# KiCad board SparkFun_IoT_RedBoard-RP2350_panelized.kicad_pcb (continued)
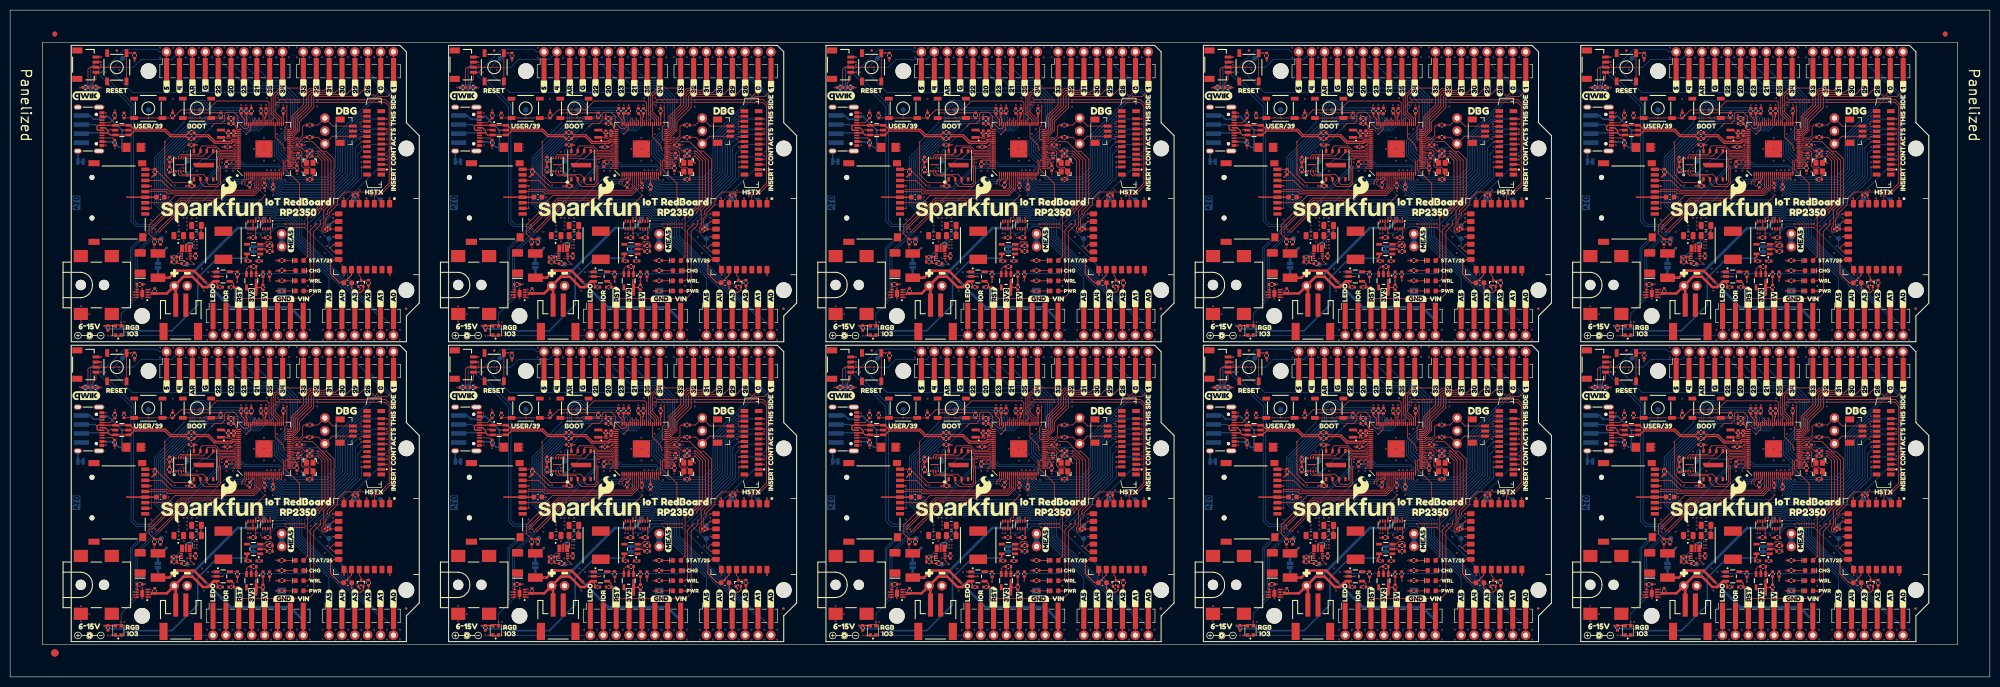
[diagram p0: board, top side]
## Routing (per net, layer and track width the routed paths; a pad name or vN(x,y) marks a point on that pad's centre or on a via; arc(x,y) is an arc through that point) (continued)
/Core/WRL_IO2: length 38.2
  Top w0.15: R15#7.2 217.9,78.19 Q1#2.3 217.84,78.78 217.49,79.13 U2#8.C3 ; U2.C3 68.77,20.01 69.12,19.66 Q1.3 69.18,19.07 R15#10.2 ; U2#6.C3 68.77,79.13 69.12,78.78 Q1#4.3 69.18,78.19 R15#5.2 ; R15#6.2 217.9,19.07 Q1#6.3 217.84,19.66 217.49,20.01 U2#3.C3 ; R15.2 292.26,78.19 Q1#10.3 292.2,78.78 291.85,79.13 U2#4.C3 ; U2#7.C3 143.13,79.13 143.48,78.78 Q1#5.3 143.54,78.19 R15#3.2 ; R15#9.2 366.62,19.07 Q1#8.3 366.56,19.66 366.21,20.01 U2#10.C3 ; R15#2.2 143.54,19.07 Q1#3.3 143.48,19.66 143.13,20.01 U2#2.C3 ; R15#4.2 292.26,19.07 Q1#9.3 292.2,19.66 291.85,20.01 U2#9.C3 ; U2#5.C3 366.21,79.13 366.56,78.78 Q1#7.3 366.62,78.19 R15#8.2
/Core/WRL_ON: length 298.2
  Top w0.15: U1#3.25 203.14,101.88 202.89,101.63 202.89,100.13 205.74,97.28 v1(205.74,92.38) ; U2#4.B6 286.85,83.78 v1(286.1,84.53) 286.85,85.28 U2#4.B5 ; U1#9.25 351.86,101.88 351.61,101.63 351.61,100.13 354.46,97.28 v1(354.46,92.38) ; U2#2.B6 138.13,24.66 v1(137.38,25.41) 138.13,26.16 U2#2.B5 ; U2#5.B5 361.21,85.28 v1(360.46,84.53) 361.21,83.78 U2#5.B6 ; U2#10.B6 361.21,24.66 v1(360.46,25.41) 361.21,26.16 U2#10.B5 ; v1(280.1,92.38) 280.1,97.28 277.25,100.13 277.25,101.63 277.5,101.88 U1#2.25 ; U2#7.B5 138.13,85.28 v1(137.38,84.53) 138.13,83.78 U2#7.B6 ; v1(131.38,92.38) 131.38,97.28 128.53,100.13 128.53,101.63 128.78,101.88 U1#5.25 ; U2#9.B6 286.85,24.66 v1(286.1,25.41) 286.85,26.16 U2#9.B5 ; U1.25 54.42,42.76 54.17,42.51 54.17,41.01 57.02,38.16 v1(57.02,33.26) ; U2#6.B5 63.77,85.28 v1(63.02,84.53) 63.77,83.78 U2#6.B6 ; v1(280.1,33.26) 280.1,38.16 277.25,41.01 277.25,42.51 277.5,42.76 U1#8.25 ; U2#3.B5 212.49,26.16 v1(211.74,25.41) 212.49,24.66 U2#3.B6 ; U1#10.25 351.86,42.76 351.61,42.51 351.61,41.01 354.46,38.16 v1(354.46,33.26) ; v1(205.74,33.26) 205.74,38.16 202.89,41.01 202.89,42.51 203.14,42.76 U1#7.25 ; U2.B5 63.77,26.16 v1(63.02,25.41) 63.77,24.66 U2.B6 ; U2#8.B6 212.49,83.78 v1(211.74,84.53) 212.49,85.28 U2#8.B5 ; U1#4.25 128.78,42.76 128.53,42.51 128.53,41.01 131.38,38.16 v1(131.38,33.26) ; U1#6.25 54.42,101.88 54.17,101.63 54.17,100.13 57.02,97.28 v1(57.02,92.38)
  Bottom w0.15: v1(205.74,33.26) 210.04,33.26 210.44,32.86 210.44,32.16 208.64,30.36 208.64,29.88 211.25,27.28 TP2#3.1 211.54,25.61 v1(211.74,25.41) ; v1(137.38,84.53) 137.18,84.73 TP2#5.1 136.88,86.4 134.28,89 134.28,89.48 136.08,91.28 136.08,91.98 135.68,92.38 v1(131.38,92.38) ; v1(63.02,25.41) 62.82,25.61 TP2.1 62.52,27.28 59.92,29.88 59.92,30.36 61.72,32.16 61.72,32.86 61.32,33.26 v1(57.02,33.26) ; v1(360.46,25.41) 360.26,25.61 TP2#9.1 359.96,27.28 357.36,29.88 357.36,30.36 359.16,32.16 359.16,32.86 358.76,33.26 v1(354.46,33.26) ; v1(63.02,84.53) 62.82,84.73 TP2#2.1 62.52,86.4 59.92,89 59.92,89.48 61.72,91.28 61.72,91.98 61.32,92.38 v1(57.02,92.38) ; v1(205.74,92.38) 210.04,92.38 210.44,91.98 210.44,91.28 208.64,89.48 208.64,89 211.25,86.4 TP2#8.1 211.54,84.73 v1(211.74,84.53) ; v1(286.1,84.53) 285.9,84.73 TP2#10.1 285.6,86.4 283,89 283,89.48 284.8,91.28 284.8,91.98 284.4,92.38 v1(280.1,92.38) ; v1(137.38,25.41) 137.18,25.61 TP2#7.1 136.88,27.28 134.28,29.88 134.28,30.36 136.08,32.16 136.08,32.86 135.68,33.26 v1(131.38,33.26) ; v1(360.46,84.53) 360.26,84.73 TP2#6.1 359.96,86.4 357.36,89 357.36,89.48 359.16,91.28 359.16,91.98 358.76,92.38 v1(354.46,92.38) ; v1(286.1,25.41) 285.9,25.61 TP2#4.1 285.6,27.28 283,29.88 283,30.36 284.8,32.16 284.8,32.86 284.4,33.26 v1(280.1,33.26)
/Core/WRL_~{CS}: length 362.6
  Top w0.15: U2#8.B2 v1(212.34,89.78) 211.22,88.66 211.22,87.94 210.96,87.68 210.39,87.68 210.14,87.93 210.14,88.58 210.54,88.98 210.54,91.93 211.94,93.33 211.94,101.83 v1(210.54,103.23) ; v1(351.31,104.28) 351.31,104.73 349.66,106.38 U1#9.45 ; v1(128.23,45.16) 128.23,45.61 126.58,47.26 U1#4.45 ; v1(128.23,104.28) 128.23,104.73 126.58,106.38 U1#5.45 ; U2#6.B2 v1(63.62,89.78) 62.51,88.66 62.51,87.94 62.24,87.68 61.67,87.68 61.42,87.93 61.42,88.58 61.82,88.98 61.82,91.93 63.22,93.33 63.22,101.83 v1(61.82,103.23) ; v1(351.31,45.16) 351.31,45.61 349.66,47.26 U1#10.45 ; U1#2.45 275.3,106.38 276.95,104.73 v1(276.95,104.28) ; v1(61.82,44.11) 63.22,42.71 63.22,34.21 61.82,32.81 61.82,29.86 61.42,29.46 61.42,28.81 61.67,28.56 62.24,28.56 62.51,28.82 62.51,29.54 v1(63.62,30.66) U2.B2 ; U1.45 52.22,47.26 53.87,45.61 v1(53.87,45.16) ; v1(284.9,44.11) 286.3,42.71 286.3,34.21 284.9,32.81 284.9,29.86 284.5,29.46 284.5,28.81 284.75,28.56 285.32,28.56 285.58,28.82 285.58,29.54 v1(286.7,30.66) U2#9.B2 ; U2#7.B2 v1(137.98,89.78) 136.87,88.66 136.87,87.94 136.6,87.68 136.03,87.68 135.78,87.93 135.78,88.58 136.18,88.98 136.18,91.93 137.58,93.33 137.58,101.83 v1(136.18,103.23) ; U1#3.45 200.94,106.38 202.59,104.73 v1(202.59,104.28) ; v1(202.59,45.16) 202.59,45.61 200.94,47.26 U1#7.45 ; v1(359.26,103.23) 360.66,101.83 360.66,93.33 359.26,91.93 359.26,88.98 358.86,88.58 358.86,87.93 359.11,87.68 359.68,87.68 359.94,87.94 359.94,88.66 v1(361.06,89.78) U2#5.B2 ; v1(359.26,44.11) 360.66,42.71 360.66,34.21 359.26,32.81 359.26,29.86 358.86,29.46 358.86,28.81 359.11,28.56 359.68,28.56 359.94,28.82 359.94,29.54 v1(361.06,30.66) U2#10.B2 ; v1(276.95,45.16) 276.95,45.61 275.3,47.26 U1#8.45 ; U2#2.B2 v1(137.98,30.66) 136.87,29.54 136.87,28.82 136.6,28.56 136.03,28.56 135.78,28.81 135.78,29.46 136.18,29.86 136.18,32.81 137.58,34.21 137.58,42.71 v1(136.18,44.11) ; v1(53.87,104.28) 53.87,104.73 52.22,106.38 U1#6.45 ; U2#3.B2 v1(212.34,30.66) 211.22,29.54 211.22,28.82 210.96,28.56 210.39,28.56 210.14,28.81 210.14,29.46 210.54,29.86 210.54,32.81 211.94,34.21 211.94,42.71 v1(210.54,44.11) ; v1(284.9,103.23) 286.3,101.83 286.3,93.33 284.9,91.93 284.9,88.98 284.5,88.58 284.5,87.93 284.75,87.68 285.32,87.68 285.58,87.94 285.58,88.66 v1(286.7,89.78) U2#4.B2
  Bottom w0.15: v1(359.26,103.23) 358.21,104.28 v1(351.31,104.28) ; v1(286.7,89.78) 285.9,88.98 TP3#3.1 ; v1(128.23,45.16) 135.13,45.16 v1(136.18,44.11) ; TP3#5.1 137.18,29.86 v1(137.98,30.66) ; v1(210.54,103.23) 209.49,104.28 v1(202.59,104.28) ; v1(276.95,45.16) 283.85,45.16 v1(284.9,44.11) ; v1(137.98,89.78) 137.18,88.98 TP3#6.1 ; v1(212.34,89.78) 211.54,88.98 TP3#2.1 ; TP3#9.1 360.26,29.86 v1(361.06,30.66) ; v1(276.95,104.28) 283.85,104.28 v1(284.9,103.23) ; v1(63.62,30.66) 62.82,29.86 TP3.1 ; v1(53.87,45.16) 60.77,45.16 v1(61.82,44.11) ; v1(136.18,103.23) 135.13,104.28 v1(128.23,104.28) ; v1(212.34,30.66) 211.54,29.86 TP3#7.1 ; v1(210.54,44.11) 209.49,45.16 v1(202.59,45.16) ; v1(286.7,30.66) 285.9,29.86 TP3#8.1 ; v1(53.87,104.28) 60.77,104.28 v1(61.82,103.23) ; v1(361.06,89.78) 360.26,88.98 TP3#10.1 ; v1(351.31,45.16) 358.21,45.16 v1(359.26,44.11) ; v1(63.62,89.78) 62.82,88.98 TP3#4.1
/Core/~{BALRT}: length 368.5
  Top w0.15: U1#5.3 v1(121.38,98.08) ; v1(252.5,87.78) v1(258.3,93.58) ; v1(103.78,28.66) v1(109.58,34.46) ; U1#10.3 v1(344.46,38.96) ; v1(178.14,87.78) v1(183.94,93.58) ; U8.5 25.03,18.24 R22.1 ; v1(29.42,28.66) v1(35.22,34.46) ; U1#8.3 v1(270.1,38.96) ; U1#6.3 v1(47.02,98.08) ; U8#5.5 248.11,18.24 R22#9.1 ; R22#10.1 322.47,18.24 U8#10.5 ; U1#9.3 v1(344.46,98.08) ; v1(103.78,87.78) v1(109.58,93.58) ; R22#8.1 25.03,77.36 U8#6.5 ; v1(252.5,28.66) v1(258.3,34.46) ; U8#9.5 322.47,77.36 R22#4.1 ; R22#3.1 248.11,77.36 U8#8.5 ; U8#3.5 173.75,18.24 R22#6.1 ; U1#2.3 v1(270.1,98.08) ; R22#5.1 99.39,77.36 U8#2.5 ; U1#4.3 v1(121.38,38.96) ; v1(326.86,28.66) v1(332.66,34.46) ; R22#2.1 173.75,77.36 U8#7.5 ; R22#7.1 99.39,18.24 U8#4.5 ; U1.3 v1(47.02,38.96) ; v1(178.14,28.66) v1(183.94,34.46) ; v1(326.86,87.78) v1(332.66,93.58) ; U1#3.3 v1(195.74,98.08) ; v1(29.42,87.78) v1(35.22,93.58) ; U1#7.3 v1(195.74,38.96)
  Bottom w0.15: v1(109.58,34.46) 112.18,34.46 116.68,38.96 v1(121.38,38.96) ; v1(99.39,76.78) 99.39,83.39 v1(103.78,87.78) ; v1(332.66,93.58) 335.26,93.58 339.76,98.08 v1(344.46,98.08) ; v1(29.42,87.78) 25.03,83.39 v1(25.03,76.78) ; v1(99.39,17.66) 99.39,24.27 v1(103.78,28.66) ; v1(332.66,34.46) 335.26,34.46 339.76,38.96 v1(344.46,38.96) ; v1(195.74,98.08) 191.04,98.08 186.54,93.58 v1(183.94,93.58) ; v1(121.38,98.08) 116.68,98.08 112.18,93.58 v1(109.58,93.58) ; v1(183.94,34.46) 186.54,34.46 191.04,38.96 v1(195.74,38.96) ; v1(47.02,98.08) 42.32,98.08 37.82,93.58 v1(35.22,93.58) ; v1(173.75,76.78) 173.75,83.39 v1(178.14,87.78) ; v1(326.86,87.78) 322.47,83.39 v1(322.47,76.78) ; v1(248.11,76.78) 248.11,83.39 v1(252.5,87.78) ; v1(252.5,28.66) 248.11,24.27 v1(248.11,17.66) ; v1(35.22,34.46) 37.82,34.46 42.32,38.96 v1(47.02,38.96) ; v1(173.75,17.66) 173.75,24.27 v1(178.14,28.66) ; v1(270.1,98.08) 265.4,98.08 260.9,93.58 v1(258.3,93.58) ; v1(270.1,38.96) 265.4,38.96 260.9,34.46 v1(258.3,34.46) ; v1(25.03,17.66) 25.03,24.27 v1(29.42,28.66) ; v1(326.86,28.66) 322.47,24.27 v1(322.47,17.66)
/Core/~{BOOT}: length 91.2
  Top w0.15: SW1#6.2 SW1#6.2 113.98,110.17 R9#6.2 ; R9#9.2 113.98,51.05 SW1#3.2 SW1#3.2 ; R9#4.2 337.06,110.17 SW1#10.2 SW1#10.2 ; R9#2.2 39.62,110.17 SW1#5.2 SW1#5.2 ; R9#3.2 262.7,51.05 SW1#9.2 SW1#9.2 ; SW1#4.2 SW1#4.2 188.34,51.05 R9#8.2 ; R9#10.2 337.06,51.05 SW1#8.2 SW1#8.2 ; SW1.2 SW1.2 39.62,51.05 R9.2 ; R9#7.2 262.7,110.17 SW1#7.2 SW1#7.2 ; R9#5.2 188.34,110.17 SW1#2.2 SW1#2.2
  Bottom w0.15: TP9#2.1 v1(260.5,110.18) ; TP9#3.1 v1(37.42,110.18) ; TP9#4.1 v1(111.78,110.18) ; TP9.1 v1(37.42,51.06) ; TP9#5.1 v1(186.14,110.18) ; TP9#6.1 v1(186.14,51.06) ; TP9#10.1 v1(334.86,110.18) ; TP9#9.1 v1(334.86,51.06) ; TP9#7.1 v1(111.78,51.06) ; TP9#8.1 v1(260.5,51.06)
/Core/~{RESET}: length 1188.1
  Top w0.15: H1#7.~{RESET} J1#4.3 193.77,74.06 194.29,74.58 207.54,74.58 208.54,75.58 208.54,87.8 209.84,89.1 v1(209.84,89.93) ; H1.~{RESET} J1#6.3 193.77,14.94 194.29,15.46 207.54,15.46 208.54,16.46 208.54,28.68 209.84,29.98 v1(209.84,30.81) ; v1(132.38,105.53) 133.88,105.53 135.78,103.63 136.62,103.63 138.18,102.07 138.18,93.18 136.83,91.83 v1(136.83,91.28) ; v1(135.48,30.81) 135.48,29.98 134.18,28.68 134.18,16.46 133.18,15.46 119.93,15.46 119.41,14.94 J1#7.3 H1#4.~{RESET} ; v1(285.55,32.16) 285.55,32.71 286.9,34.06 286.9,42.95 285.34,44.51 284.5,44.51 282.6,46.41 v1(281.1,46.41) ; v1(205.24,106.28) 204.72,106.28 204.32,105.88 U1#3.35 203.04,105.88 202.84,106.08 202.84,108.33 203.24,108.73 v1(203.24,112.43) ; 320.37,58.27 320.37,63.85 320.38,63.87 R34#10.1 ; v1(61.12,89.93) 61.12,89.1 59.82,87.8 59.82,75.58 58.82,74.58 45.57,74.58 45.05,74.06 J1#3.3 H1#5.~{RESET} ; SW2.2 SW2.2 22.94,63.87 R34.1 ; v1(205.24,47.16) 204.72,47.16 204.32,46.76 U1#7.35 203.04,46.76 202.84,46.96 202.84,49.21 203.24,49.61 v1(203.24,53.31) ; R34#4.1 97.3,63.87 SW2#7.2 SW2#7.2 ; SW2#6.2 SW2#6.2 22.94,122.99 R34#2.1 ; v1(359.91,32.16) 359.91,32.71 361.26,34.06 361.26,42.95 359.7,44.51 358.86,44.51 356.96,46.41 v1(355.46,46.41) ; 246,58.27 246,63.85 246.02,63.87 R34#8.1 ; R34#5.1 171.66,63.87 SW2#8.2 SW2#8.2 ; v1(136.83,32.16) 136.83,32.71 138.18,34.06 138.18,42.95 136.62,44.51 135.78,44.51 133.88,46.41 v1(132.38,46.41) ; v1(62.47,32.16) 62.47,32.71 63.82,34.06 63.82,42.95 62.26,44.51 61.42,44.51 59.52,46.41 v1(58.02,46.41) ; H1#10.~{RESET} J1#10.3 45.05,14.94 45.57,15.46 58.82,15.46 59.82,16.46 59.82,28.68 61.12,29.98 v1(61.12,30.81) ; v1(355.46,105.53) 356.96,105.53 358.86,103.63 359.7,103.63 361.26,102.07 361.26,93.18 359.91,91.83 v1(359.91,91.28) ; v1(130.88,47.16) 130.36,47.16 129.96,46.76 U1#4.35 128.68,46.76 128.48,46.96 128.48,49.21 128.88,49.61 v1(128.88,53.31) ; v1(279.6,47.16) 279.08,47.16 278.68,46.76 U1#8.35 277.4,46.76 277.2,46.96 277.2,49.21 277.6,49.61 v1(277.6,53.31) ; v1(279.6,106.28) 279.08,106.28 278.68,105.88 U1#2.35 277.4,105.88 277.2,106.08 277.2,108.33 277.6,108.73 v1(277.6,112.43) ; v1(206.74,46.41) 208.24,46.41 210.14,44.51 210.98,44.51 212.54,42.95 212.54,34.06 211.19,32.71 v1(211.19,32.16) ; v1(56.52,106.28) 56,106.28 55.6,105.88 U1#6.35 54.32,105.88 54.12,106.08 54.12,108.33 54.52,108.73 v1(54.52,112.43) ; H1#2.~{RESET} J1#2.3 268.13,14.94 268.65,15.46 281.9,15.46 282.9,16.46 282.9,28.68 284.2,29.98 v1(284.2,30.81) ; v1(62.47,91.28) 62.47,91.83 63.82,93.18 63.82,102.07 62.26,103.63 61.42,103.63 59.52,105.53 v1(58.02,105.53) ; H1#9.~{RESET} J1.3 342.49,74.06 343.01,74.58 356.26,74.58 357.26,75.58 357.26,87.8 358.56,89.1 v1(358.56,89.93) ; v1(206.74,105.53) 208.24,105.53 210.14,103.63 210.98,103.63 212.54,102.07 212.54,93.18 211.19,91.83 v1(211.19,91.28) ; H1#6.~{RESET} J1#5.3 119.41,74.06 119.93,74.58 133.18,74.58 134.18,75.58 134.18,87.8 135.48,89.1 v1(135.48,89.93) ; v1(353.96,47.16) 353.44,47.16 353.04,46.76 U1#10.35 351.76,46.76 351.56,46.96 351.56,49.21 351.96,49.61 v1(351.96,53.31) ; v1(128.88,112.43) 128.88,108.73 128.48,108.33 128.48,106.08 128.68,105.88 U1#5.35 129.96,105.88 130.36,106.28 v1(130.88,106.28) ; v1(285.55,91.28) 285.55,91.83 286.9,93.18 286.9,102.07 285.34,103.63 284.5,103.63 282.6,105.53 v1(281.1,105.53) ; H1#3.~{RESET} J1#9.3 342.49,14.94 343.01,15.46 356.26,15.46 357.26,16.46 357.26,28.68 358.56,29.98 v1(358.56,30.81) ; R34#6.1 320.38,122.99 320.37,122.97 320.37,117.39 ; v1(351.96,112.43) 351.96,108.73 351.56,108.33 351.56,106.08 351.76,105.88 U1#9.35 353.04,105.88 353.44,106.28 v1(353.96,106.28) ; R34#7.1 97.3,122.99 SW2#5.2 SW2#5.2 ; H1#8.~{RESET} J1#8.3 268.13,74.06 268.65,74.58 281.9,74.58 282.9,75.58 282.9,87.8 284.2,89.1 v1(284.2,89.93) ; v1(56.52,47.16) 56,47.16 55.6,46.76 U1.35 54.32,46.76 54.12,46.96 54.12,49.21 54.52,49.61 v1(54.52,53.31) ; 246,117.39 246,122.97 246.02,122.99 R34#9.1 ; SW2#4.2 SW2#4.2 171.66,122.99 R34#3.1
  Bottom w0.15: v1(281.1,105.53) 280.7,105.53 279.95,106.28 v1(279.6,106.28) ; v1(172.49,63.86) 171.92,63.86 TP10#3.1 169.04,60.98 169.04,59.86 172.84,56.06 201.29,56.06 203.24,54.11 v1(203.24,53.31) ; v1(172.49,122.98) 171.92,122.98 TP10#9.1 169.04,120.1 169.04,118.98 172.84,115.18 201.29,115.18 203.24,113.23 v1(203.24,112.43) ; v1(358.56,89.93) v1(359.91,91.28) ; v1(98.13,122.98) 97.56,122.98 TP10#5.1 94.68,120.1 94.68,118.98 98.48,115.18 126.93,115.18 128.88,113.23 v1(128.88,112.43) ; v1(98.13,63.86) 97.56,63.86 TP10#6.1 94.68,60.98 94.68,59.86 98.48,56.06 126.93,56.06 128.88,54.11 v1(128.88,53.31) ; v1(277.6,53.31) 277.6,54.11 275.65,56.06 247.2,56.06 243.4,59.86 243.4,60.98 TP10#4.1 246.28,63.86 v1(246.85,63.86) ; v1(58.02,105.53) 57.62,105.53 56.87,106.28 v1(56.52,106.28) ; v1(130.88,47.16) 131.23,47.16 131.98,46.41 v1(132.38,46.41) ; v1(209.84,89.93) v1(211.19,91.28) ; v1(351.96,112.43) 351.96,113.23 350.01,115.18 321.56,115.18 317.76,118.98 317.76,120.1 TP10#8.1 320.64,122.98 v1(321.21,122.98) ; v1(284.2,30.81) v1(285.55,32.16) ; v1(61.12,89.93) v1(62.47,91.28) ; v1(277.6,112.43) 277.6,113.23 275.65,115.18 247.2,115.18 243.4,118.98 243.4,120.1 TP10#10.1 246.28,122.98 v1(246.85,122.98) ; v1(206.74,105.53) 206.34,105.53 205.59,106.28 v1(205.24,106.28) ; v1(353.96,106.28) 354.31,106.28 355.06,105.53 v1(355.46,105.53) ; v1(23.77,63.86) 23.2,63.86 TP10.1 20.32,60.98 20.32,59.86 24.12,56.06 52.57,56.06 54.52,54.11 v1(54.52,53.31) ; v1(209.84,30.81) v1(211.19,32.16) ; v1(61.12,30.81) v1(62.47,32.16) ; v1(355.46,46.41) 355.06,46.41 354.31,47.16 v1(353.96,47.16) ; v1(135.48,30.81) v1(136.83,32.16) ; v1(205.24,47.16) 205.59,47.16 206.34,46.41 v1(206.74,46.41) ; v1(351.96,53.31) 351.96,54.11 350.01,56.06 321.56,56.06 317.76,59.86 317.76,60.98 TP10#7.1 320.64,63.86 v1(321.21,63.86) ; v1(54.52,112.43) 54.52,113.23 52.57,115.18 24.12,115.18 20.32,118.98 20.32,120.1 TP10#2.1 23.2,122.98 v1(23.77,122.98) ; v1(56.52,47.16) 56.87,47.16 57.62,46.41 v1(58.02,46.41) ; v1(135.48,89.93) v1(136.83,91.28) ; v1(358.56,30.81) v1(359.91,32.16) ; v1(281.1,46.41) 280.7,46.41 279.95,47.16 v1(279.6,47.16) ; v1(132.38,105.53) 131.98,105.53 131.23,106.28 v1(130.88,106.28) ; v1(284.2,89.93) v1(285.55,91.28)
/Core/~{SD_DET}: length 217.9
  Top w0.15: v1(254.85,96.88) 251.67,100.06 J14#9.9 ; U1#6.79 v1(44.42,100.68) ; J14#4.9 177.31,100.06 v1(180.49,96.88) ; J14#7.9 251.67,40.94 v1(254.85,37.76) ; J14#3.9 177.31,40.94 v1(180.49,37.76) ; J14#10.9 326.03,100.06 v1(329.21,96.88) ; v1(31.77,96.88) 28.59,100.06 J14#2.9 ; U1.79 v1(44.42,41.56) ; J14.9 28.59,40.94 v1(31.77,37.76) ; U1#10.79 v1(341.86,41.56) ; U1#7.79 v1(193.14,41.56) ; v1(106.13,96.88) 102.95,100.06 J14#6.9 ; U1#9.79 v1(341.86,100.68) ; v1(329.21,37.76) 326.03,40.94 J14#8.9 ; v1(106.13,37.76) 102.95,40.94 J14#5.9 ; U1#5.79 v1(118.78,100.68) ; U1#2.79 v1(267.5,100.68) ; U1#8.79 v1(267.5,41.56) ; U1#3.79 v1(193.14,100.68) ; U1#4.79 v1(118.78,41.56)
  Bottom w0.15: v1(341.86,100.68) 338.55,100.68 334.27,96.4 329.69,96.4 v1(329.21,96.88) ; v1(254.85,37.76) 255.32,37.28 259.91,37.28 264.19,41.56 v1(267.5,41.56) ; v1(44.42,100.68) 41.11,100.68 36.83,96.4 32.24,96.4 v1(31.77,96.88) ; v1(180.49,37.76) 180.96,37.28 185.55,37.28 189.83,41.56 v1(193.14,41.56) ; v1(341.86,41.56) 338.55,41.56 334.27,37.28 329.69,37.28 v1(329.21,37.76) ; v1(31.77,37.76) 32.24,37.28 36.83,37.28 41.11,41.56 v1(44.42,41.56) ; v1(267.5,100.68) 264.19,100.68 259.91,96.4 255.32,96.4 v1(254.85,96.88) ; v1(180.49,96.88) 180.96,96.4 185.55,96.4 189.83,100.68 v1(193.14,100.68) ; v1(118.78,41.56) 115.47,41.56 111.19,37.28 106.61,37.28 v1(106.13,37.76) ; v1(118.78,100.68) 115.47,100.68 111.19,96.4 106.61,96.4 v1(106.13,96.88)
/Core/~{STAT}: length 285.1
  Top w0.15: D6#6.2 281.7,82.89 281.7,90.63 284.5,93.43 284.5,101.78 v1(283.65,102.63) ; v1(134.93,102.63) 135.78,101.78 135.78,93.43 132.98,90.63 132.98,82.89 D6#2.2 ; v1(353.66,42.81) 353.06,42.81 352.71,43.16 U1#10.26 ; v1(353.66,101.93) 353.06,101.93 352.71,102.28 U1#9.26 ; D6.2 58.62,23.77 58.62,31.51 61.42,34.31 61.42,42.66 v1(60.57,43.51) ; v1(209.29,102.63) 210.14,101.78 210.14,93.43 207.34,90.63 207.34,82.89 D6#5.2 ; v1(209.29,43.51) 210.14,42.66 210.14,34.31 207.34,31.51 207.34,23.77 D6#7.2 ; U1#8.26 278.35,43.16 278.7,42.81 v1(279.3,42.81) ; U1#2.26 278.35,102.28 278.7,101.93 v1(279.3,101.93) ; v1(283.65,43.51) 284.5,42.66 284.5,34.31 281.7,31.51 281.7,23.77 D6#8.2 ; U1#6.26 55.27,102.28 55.62,101.93 v1(56.22,101.93) ; v1(130.58,101.93) 129.98,101.93 129.63,102.28 U1#5.26 ; v1(204.94,42.81) 204.34,42.81 203.99,43.16 U1#7.26 ; v1(358.01,102.63) 358.86,101.78 358.86,93.43 356.06,90.63 356.06,82.89 D6#9.2 ; U1.26 55.27,43.16 55.62,42.81 v1(56.22,42.81) ; D6#10.2 356.06,23.77 356.06,31.51 358.86,34.31 358.86,42.66 v1(358.01,43.51) ; U1#3.26 203.99,102.28 204.34,101.93 v1(204.94,101.93) ; D6#4.2 132.98,23.77 132.98,31.51 135.78,34.31 135.78,42.66 v1(134.93,43.51) ; v1(60.57,102.63) 61.42,101.78 61.42,93.43 58.62,90.63 58.62,82.89 D6#3.2 ; U1#4.26 129.63,43.16 129.98,42.81 v1(130.58,42.81)
  Bottom w0.15: v1(60.57,43.51) 60.55,43.53 58.7,43.53 57.97,42.81 v1(56.22,42.81) ; v1(134.93,43.51) 134.91,43.53 133.06,43.53 132.33,42.81 v1(130.58,42.81) ; v1(353.66,101.93) 355.41,101.93 356.13,102.65 357.99,102.65 v1(358.01,102.63) ; v1(209.29,43.51) 209.26,43.53 207.41,43.53 206.69,42.81 v1(204.94,42.81) ; v1(204.94,101.93) 206.69,101.93 207.41,102.65 209.26,102.65 v1(209.29,102.63) ; v1(130.58,101.93) 132.33,101.93 133.06,102.65 134.91,102.65 v1(134.93,102.63) ; v1(283.65,102.63) 283.62,102.65 281.77,102.65 281.05,101.93 v1(279.3,101.93) ; v1(283.65,43.51) 283.62,43.53 281.77,43.53 281.05,42.81 v1(279.3,42.81) ; v1(353.66,42.81) 355.41,42.81 356.13,43.53 357.99,43.53 v1(358.01,43.51) ; v1(56.22,101.93) 57.97,101.93 58.7,102.65 60.55,102.65 v1(60.57,102.63)
/Core/~{USER_BTN}: length 359.8
  Top w0.15: U1#10.48 348.46,54.06 348.11,54.41 338.16,54.41 336.41,52.66 331.11,52.66 329.5,51.05 R35#7.1 329.45,51.05 SW3#9.2 SW3#9.2 321.84,51.08 C36#6.1 ; C36#4.1 98.76,110.2 SW3#2.2 SW3#2.2 106.38,110.17 R35#2.1 106.42,110.17 108.03,111.78 113.33,111.78 115.08,113.53 125.03,113.53 125.38,113.18 U1#5.48 ; U1#8.48 274.1,54.06 273.75,54.41 263.8,54.41 262.05,52.66 256.75,52.66 255.14,51.05 R35#10.1 255.09,51.05 SW3#7.2 SW3#7.2 247.48,51.08 C36#7.1 ; C36#9.1 247.48,110.2 SW3#8.2 SW3#8.2 255.09,110.17 R35#8.1 255.14,110.17 256.75,111.78 262.05,111.78 263.8,113.53 273.75,113.53 274.1,113.18 U1#2.48 ; C36#8.1 321.84,110.2 SW3#5.2 SW3#5.2 329.45,110.17 R35#6.1 329.5,110.17 331.11,111.78 336.41,111.78 338.16,113.53 348.11,113.53 348.46,113.18 U1#9.48 ; C36#3.1 98.76,51.08 SW3.2 SW3.2 106.38,51.05 R35#5.1 106.42,51.05 108.03,52.66 113.33,52.66 115.08,54.41 125.03,54.41 125.38,54.06 U1#4.48 ; C36.1 24.4,110.2 SW3#3.2 SW3#3.2 32.02,110.17 R35#4.1 32.06,110.17 33.67,111.78 38.97,111.78 40.72,113.53 50.67,113.53 51.02,113.18 U1#6.48 ; C36#5.1 173.12,51.08 SW3#4.2 SW3#4.2 180.74,51.05 R35#3.1 180.78,51.05 182.39,52.66 187.69,52.66 189.44,54.41 199.39,54.41 199.74,54.06 U1#7.48 ; C36#2.1 173.12,110.2 SW3#6.2 SW3#6.2 180.74,110.17 R35#9.1 180.78,110.17 182.39,111.78 187.69,111.78 189.44,113.53 199.39,113.53 199.74,113.18 U1#3.48 ; C36#10.1 24.4,51.08 SW3#10.2 SW3#10.2 32.02,51.05 R35.1 32.06,51.05 33.67,52.66 38.97,52.66 40.72,54.41 50.67,54.41 51.02,54.06 U1.48
  Bottom w0.15: TP11#9.1 101.62,110.19 v1(101.63,110.18) ; v1(175.99,51.06) 175.98,51.07 TP11#5.1 ; TP11#2.1 324.7,110.19 v1(324.71,110.18) ; v1(324.71,51.06) 324.7,51.07 TP11#3.1 ; v1(250.35,51.06) 250.34,51.07 TP11#6.1 ; TP11#10.1 175.98,110.19 v1(175.99,110.18) ; TP11#7.1 27.26,110.19 v1(27.27,110.18) ; v1(27.27,51.06) 27.26,51.07 TP11.1 ; TP11#4.1 250.34,110.19 v1(250.35,110.18) ; v1(101.63,51.06) 101.62,51.07 TP11#8.1
/IO0_TXD: length 489.3
  Top w0.15: U1#4.77 v1(118.78,42.36) ; v1(220.54,114.43) 221.74,115.63 J9#8.7 221.74,123.19 H1#7.D1 ; U1#2.77 v1(267.5,101.48) ; v1(146.18,114.43) 147.38,115.63 J9#7.7 147.38,123.19 H1#6.D1 ; U1#10.77 v1(341.86,42.36) ; H1#9.D1 370.46,123.19 J9#10.7 370.46,115.63 v1(369.26,114.43) ; v1(146.18,55.31) 147.38,56.51 J9#6.7 147.38,64.07 H1#4.D1 ; U1.77 v1(44.42,42.36) ; U1#8.77 v1(267.5,42.36) ; v1(71.82,55.31) 73.02,56.51 J9.7 73.02,64.07 H1#10.D1 ; v1(294.9,55.31) 296.1,56.51 J9#3.7 296.1,64.07 H1#2.D1 ; v1(369.26,55.31) 370.46,56.51 J9#9.7 370.46,64.07 H1#3.D1 ; H1#5.D1 73.02,123.19 J9#4.7 73.02,115.63 v1(71.82,114.43) ; H1#8.D1 296.1,123.19 J9#5.7 296.1,115.63 v1(294.9,114.43) ; H1.D1 221.74,64.07 J9#2.7 221.74,56.51 v1(220.54,55.31) ; U1#7.77 v1(193.14,42.36) ; U1#9.77 v1(341.86,101.48) ; U1#5.77 v1(118.78,101.48) ; U1#3.77 v1(193.14,101.48) ; U1#6.77 v1(44.42,101.48)
  Bottom w0.15: v1(341.86,42.36) 343.16,42.36 343.71,41.81 350.46,41.81 352.86,39.41 359.71,39.41 361.56,41.26 361.56,47.61 v1(369.26,55.31) ; v1(71.82,114.43) 64.12,106.73 64.12,100.38 62.27,98.53 55.42,98.53 53.02,100.93 46.27,100.93 45.72,101.48 v1(44.42,101.48) ; v1(193.14,101.48) 194.44,101.48 194.99,100.93 201.74,100.93 204.14,98.53 210.99,98.53 212.84,100.38 212.84,106.73 v1(220.54,114.43) ; v1(267.5,42.36) 268.8,42.36 269.35,41.81 276.1,41.81 278.5,39.41 285.35,39.41 287.2,41.26 287.2,47.61 v1(294.9,55.31) ; v1(369.26,114.43) 361.56,106.73 361.56,100.38 359.71,98.53 352.86,98.53 350.46,100.93 343.71,100.93 343.16,101.48 v1(341.86,101.48) ; v1(71.82,55.31) 64.12,47.61 64.12,41.26 62.27,39.41 55.42,39.41 53.02,41.81 46.27,41.81 45.72,42.36 v1(44.42,42.36) ; v1(193.14,42.36) 194.44,42.36 194.99,41.81 201.74,41.81 204.14,39.41 210.99,39.41 212.84,41.26 212.84,47.61 v1(220.54,55.31) ; v1(146.18,114.43) 138.48,106.73 138.48,100.38 136.63,98.53 129.78,98.53 127.38,100.93 120.63,100.93 120.08,101.48 v1(118.78,101.48) ; v1(267.5,101.48) 268.8,101.48 269.35,100.93 276.1,100.93 278.5,98.53 285.35,98.53 287.2,100.38 287.2,106.73 v1(294.9,114.43) ; v1(146.18,55.31) 138.48,47.61 138.48,41.26 136.63,39.41 129.78,39.41 127.38,41.81 120.63,41.81 120.08,42.36 v1(118.78,42.36)
/IO1_RXD: length 541.5
  Top w0.15: v1(221.19,55.31) 223.09,55.31 224.28,56.5 J9#2.8 224.28,64.07 H1.D0 ; U1#9.78 v1(340.66,101.08) ; v1(369.91,55.31) 371.81,55.31 373,56.5 J9#9.8 373,64.07 H1#3.D0 ; H1#10.D0 75.56,64.07 J9.8 75.56,56.5 74.37,55.31 v1(72.47,55.31) ; U1#8.78 v1(266.3,41.96) ; U1#2.78 v1(266.3,101.08) ; v1(295.55,114.43) 297.45,114.43 298.64,115.62 J9#5.8 298.64,123.19 H1#8.D0 ; v1(72.47,114.43) 74.37,114.43 75.56,115.62 J9#4.8 75.56,123.19 H1#5.D0 ; U1#6.78 v1(43.22,101.08) ; U1.78 v1(43.22,41.96) ; v1(295.55,55.31) 297.45,55.31 298.64,56.5 J9#3.8 298.64,64.07 H1#2.D0 ; H1#6.D0 149.92,123.19 J9#7.8 149.92,115.62 148.73,114.43 v1(146.83,114.43) ; U1#7.78 v1(191.94,41.96) ; H1#7.D0 224.28,123.19 J9#8.8 224.28,115.62 223.09,114.43 v1(221.19,114.43) ; H1#9.D0 373,123.19 J9#10.8 373,115.62 371.81,114.43 v1(369.91,114.43) ; U1#10.78 v1(340.66,41.96) ; H1#4.D0 149.92,64.07 J9#6.8 149.92,56.5 148.73,55.31 v1(146.83,55.31) ; U1#4.78 v1(117.58,41.96) ; U1#3.78 v1(191.94,101.08) ; U1#5.78 v1(117.58,101.08)
  Bottom w0.15: v1(117.58,101.08) 119.88,101.08 120.38,100.58 127.23,100.58 129.78,98.03 136.83,98.03 138.93,100.13 138.93,106.53 v1(146.83,114.43) ; v1(295.55,55.31) 287.65,47.41 287.65,41.01 285.55,38.91 278.5,38.91 275.95,41.46 269.1,41.46 268.6,41.96 v1(266.3,41.96) ; v1(295.55,114.43) 287.65,106.53 287.65,100.13 285.55,98.03 278.5,98.03 275.95,100.58 269.1,100.58 268.6,101.08 v1(266.3,101.08) ; v1(369.91,55.31) 362.01,47.41 362.01,41.01 359.91,38.91 352.86,38.91 350.31,41.46 343.46,41.46 342.96,41.96 v1(340.66,41.96) ; v1(191.94,101.08) 194.24,101.08 194.74,100.58 201.59,100.58 204.14,98.03 211.19,98.03 213.29,100.13 213.29,106.53 v1(221.19,114.43) ; v1(43.22,41.96) 45.52,41.96 46.02,41.46 52.87,41.46 55.42,38.91 62.47,38.91 64.57,41.01 64.57,47.41 v1(72.47,55.31) ; v1(117.58,41.96) 119.88,41.96 120.38,41.46 127.23,41.46 129.78,38.91 136.83,38.91 138.93,41.01 138.93,47.41 v1(146.83,55.31) ; v1(369.91,114.43) 362.01,106.53 362.01,100.13 359.91,98.03 352.86,98.03 350.31,100.58 343.46,100.58 342.96,101.08 v1(340.66,101.08) ; v1(72.47,114.43) 64.57,106.53 64.57,100.13 62.47,98.03 55.42,98.03 52.87,100.58 46.02,100.58 45.52,101.08 v1(43.22,101.08) ; v1(191.94,41.96) 194.24,41.96 194.74,41.46 201.59,41.46 204.14,38.91 211.19,38.91 213.29,41.01 213.29,47.41 v1(221.19,55.31)
